# KiCad board PC110.kicad_pcb (continued)
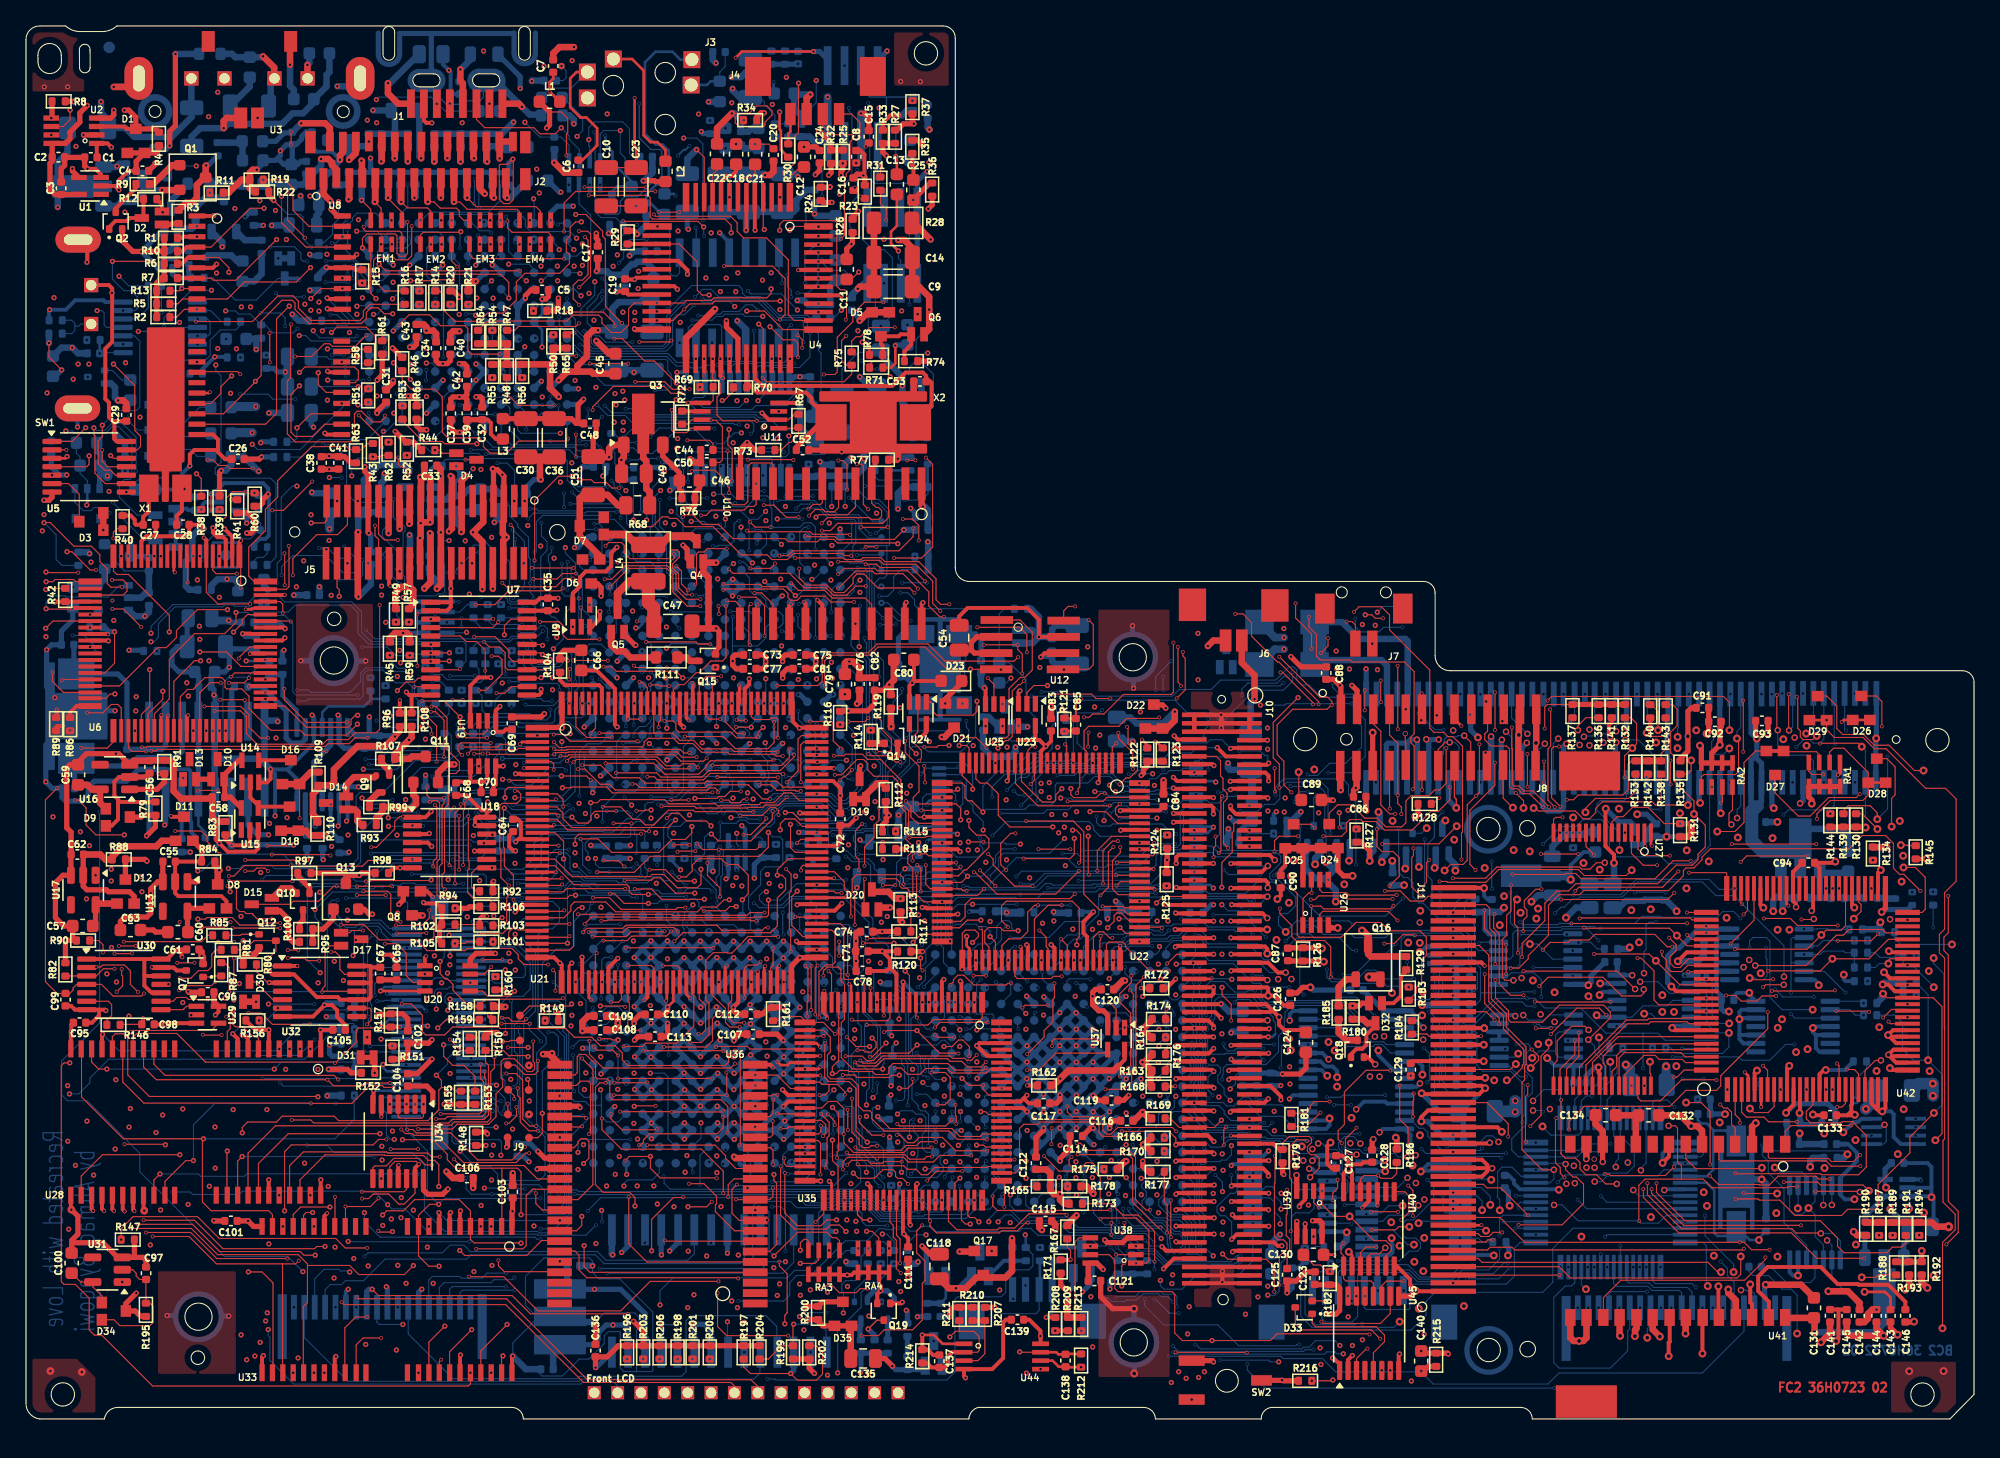
[diagram p0: board, top side]
## Routing (per net, layer and track width the routed paths; a pad name or vN(x,y) marks a point on that pad's centre or on a via; arc(x,y) is an arc through that point) (continued)
  FC1 w0.08: v3(57.86,55.15) 57.86,55.56 57.24,56.18 54.71,56.18 54.5,56.39 v1(54.5,57.11)
  IC3 w0.08: v1(54.5,57.11) 52.9,58.71 47.41,58.71 45.93,60.19 43.01,60.19 41.71,61.49 40.2,61.49 39.93,61.22 34.87,61.22 34.7,61.39 28.5,61.39 25.29,64.6 21.72,64.6 20.2,66.12 11.59,66.12 10.13,64.66 v6(6.64,64.66)
M38_P43: length 68.9
  FC2 w0.08: v1(1.55,64.52) 2.07,64.52 2.24,64.69 3.67,64.69 3.82,64.54 U6.21
  FC1 w0.08: v3(58.36,55.15) 58.36,56.48 58.71,56.83 58.71,59.06 v1(58.2,59.57)
  IC3 w0.08: v1(58.2,59.57) 57.67,59.04 52.21,59.04 51,60.25 46.55,60.25 46.17,60.63 43.17,60.63 42.11,61.69 31.35,61.69 27.99,65.05 21.68,65.05 20.44,66.29 11.43,66.29 10.49,65.35 2.45,65.35 1.62,64.52 v1(1.55,64.52)
M38_P44: length 178.1
  FC2 w0.08: v1(11.04,60.65) 11.04,61.94 7.9,65.08 7,65.08 6.74,65.34 U6.20
  IC1 w0.08: v1(16.57,6.48) 16.64,6.55 22.46,6.55 23.93,8.02 52.78,8.02 53.76,7.04 57.76,7.04 58.08,6.72 59.16,6.72 59.48,6.4 62.03,6.4 64.71,9.08 64.71,9.73 65.57,10.59 v1(67.23,10.59)
  IC2 w0.08: v1(11.04,60.65) 11.19,60.5 11.19,47.57 12.2,46.56 12.2,37.18 11.29,36.27 11.29,19.9 12.54,18.65 14.8,18.65 16.57,16.88 v1(16.57,6.48) ; v1(99.68,5.48) 89.3,5.48 85.75,9.03 84.36,9.03 84,9.39 84,12.36 83.15,13.21 81.24,13.21 79.39,15.06 77.2,15.06 76.52,14.38 71.34,14.38 70.35,15.38 67.58,15.38 66.76,14.55 66.76,11.06 v1(67.23,10.59)
  BC1 w0.08: v7(101.57,16.48) 101.57,15.98 100.1,14.51 100.1,10.17 99.68,9.75 v1(99.68,5.48)
  BC2 w0.08: v7(101.57,16.48) 101.63,16.54 U72.19
M38_P46: length 140.9
  FC2 w0.08: v3(51.95,63.17) 50.85,63.17 50.07,63.95 50.07,65.08 49.4,65.75 46.16,65.75 45.12,64.71 v3(44.58,64.71) ; v1(1.39,69.07) 1.4,69.08 1.87,69.08 3.69,67.26 5.03,67.26 5.69,66.6 5.69,66.07 6.26,65.5 6.26,64.38 6.54,64.1 v3(7.4,64.1) ; v3(53.72,63.89) 53.79,63.96 58.34,63.96 58.7,63.6 58.7,63.3 58.92,63.08 59.39,63.08 59.72,63.41 61.55,63.41 62,62.96 v3(63.78,62.96) ; v3(64.68,65.87) 65.52,65.87 65.77,65.62 68.19,65.62 v3(69.26,64.55) ; v3(42.17,65.58) 38.98,65.58 v3(38.97,65.59)
  FC1 w0.08: 38.95,65.63 38.91,65.59 37.19,65.59 36.64,65.04 31.48,65.04 30.87,65.65 28.38,65.65 27.73,65 21.28,65 20.91,64.63 16.32,64.63 15.8,64.11 13.12,64.11 12.8,64.43 12.8,64.65 11.92,65.53 9.21,65.53 8.25,66.49 v3(7.89,66.49) 7.89,65.96 7.4,65.47 v3(7.4,64.1) ; v3(51.95,63.17) 53,63.17 v3(53.72,63.89) ; v3(44.58,64.71) 43.76,64.71 42.89,65.58 v3(42.17,65.58) ; v3(63.78,62.96) 63.78,64.97 v3(64.68,65.87) ; v3(69.26,64.55) 69.73,64.08 69.73,62.34 70.6,61.47 72.22,61.47 73.11,60.58 74.76,60.58 75.47,61.29 82.35,61.29 82.65,61.59 92.13,61.59 92.33,61.39 93.66,61.39 94.25,61.98 97.63,61.98 98.56,61.05 102.04,61.05 102.23,61.24 102.92,61.24 v1(102.94,61.22)
  BC1 w0.08: v7(112.03,55.86) 112.03,54.69 111.87,54.53 109.41,54.53 108.58,53.7 106.62,53.7 102.61,57.71 102.61,60.89 v1(102.94,61.22)
  BC2 w0.08: R288.2 2.77,65.78 2.32,66.23 2.32,68.14 v1(1.39,69.07)
M38_P52: length 19.9
  FC2 w0.08: v3(20.56,65.02) 20.56,66.31 22.4,68.15 24,68.15 24.76,68.91 J5.18
  FC1 w0.08: v3(20.56,65.02) 17.39,65.02 17.17,64.8 16.13,64.8 15.65,65.28 12.95,65.28 12.19,66.04 10.34,66.04 v3(9.89,66.49)
M38_P53: length 15.1
  FC1 w0.08: v3(24.76,65.94) 24.02,65.94 23.46,65.38 21,65.38 20.86,65.52 13.07,65.52 12.1,66.49 v3(10.39,66.49)
M38_P60: length 37.9
  FC1 w0.08: v3(12.89,66.49) 13.44,67.04 15.46,67.04 16.23,67.81 16.23,70.76 16.62,71.15 16.62,76.31 17.08,76.77 31.45,76.77 33.8,74.42 36.28,74.42 38.01,72.69 38.01,71.14 v3(38.41,70.74)
M38_P61: length 33.4
  FC1 w0.08: v3(37.61,70.74) 37.61,72.53 35.92,74.22 32.83,74.22 31.45,75.6 26.56,75.6 26.45,75.49 22.48,75.49 19.33,72.34 19.33,68.41 17.75,66.83 13.73,66.83 v3(13.39,66.49)
M38_P63: length 26
  FC2 w0.08: U6.5 14.39,65.4 14.65,65.14 v3(16.24,65.14)
  FC1 w0.08: v3(38.36,65.94) 36.87,65.94 36.34,65.41 31.66,65.41 31.16,65.91 28.07,65.91 27.36,65.2 20.88,65.2 20.75,65.33 17.09,65.33 16.9,65.14 v3(16.24,65.14)
M38_P64: length 19.4
  FC1 w0.08: v3(33.56,65.94) 32.78,66.72 23.98,66.72 23.39,66.13 v1(21.39,66.13) 21.37,66.13 21.11,66.39 15.81,66.39 15.71,66.49 v3(14.89,66.49)
M38_P65: length 143.2
  FC2 w0.2: v1(69.04,6.47) 69.93,6.47 70.61,5.79 U44.1
  FC2 w0.3: U6.3 15.39,67.76 15.2,67.95 14.75,67.95 14.4,68.3 v1(14.4,68.68) ; C137.2 69.87,4.93 69.46,5.34 R214.2 v1(69.04,6.47)
  IC1 w0.08: v1(14.4,68.68) 14.4,67.89 14.08,67.57 12.75,67.57 10.69,65.51 10.69,57.57 9.19,56.07 9.19,47.8 8.6,47.21 6.75,47.21 4.81,45.27 4.81,45.06 2.14,42.39 2.14,13.95 12.72,3.37 40.62,3.37 42.9,5.65 67.1,5.65 67.91,6.46 69.03,6.46 v1(69.04,6.47)
M38_P66: length 152.9
  FC2 w0.08: U44.7 76.57,5.14 v1(76.54,5.17)
  FC2 w0.2: U44.7 79.36,5.14 79.52,4.98 C138.2 80.1,5.01 R212.2
  FC2 w0.3: U6.2 15.89,68 v1(15.29,68.6)
  IC1 w0.08: v1(76.54,5.17) 75.76,5.17 75.5,4.91 43.3,4.91 41.06,2.67 12.11,2.67 1.4,13.38 1.4,44.51 3.25,46.36 3.25,50.4 5.4,52.55 5.4,56.86 5.83,57.29 9.87,57.29 10.49,57.91 10.49,66.01 13.62,69.14 14.75,69.14 v1(15.29,68.6)
M38_P67: length 135.7
  FC2 w0.08: U6.1 16.54,66.39 v3(16.54,64.06)
  FC2 w0.3: v3(16.56,67.68) 16.44,67.56 U6.1
  FC1 w0.08: v3(17.61,71.36) 17.55,71.3 17.55,68.23 17,67.68 v3(16.56,67.68) ; v3(16.54,64.06) 16.24,64.06 15.89,63.71 14.73,63.71 13.36,62.34 v1(13.36,61.09)
  IC3 w0.08: v1(13.36,61.09) 17.83,61.09 19.58,62.84 25.52,62.84 27.55,60.81 28.51,60.81 28.82,61.12 34.52,61.12 34.71,60.93 39.56,60.93 40.72,59.77 45.96,59.77 47.27,58.46 52.46,58.46 54.32,56.6 62.91,56.6 64.29,57.98 71.81,57.98 72.14,58.31 76.94,58.31 77.83,57.42 79.84,57.42 80.16,57.1 80.21,57.1 82.31,55 v1(82.31,54.87)
  BC1 w0.08: v7(111.27,50.93) 111.27,52.88 110.64,53.51 109.58,53.51 v7(109.18,53.11) ; v1(82.31,54.87) 83,55.56 86.42,55.56 v7(87.02,56.16) ; v7(95.04,56.16) 95.03,56.16 92.78,58.41 v7(88.23,58.41) ; v7(97.55,57.55) 98.19,58.19 98.19,61.47 99.3,62.58 103.26,62.58 103.58,62.26 103.58,62 103.89,61.69 104.14,61.69 105.72,60.11 105.72,55.9 v7(107.26,54.36)
  BC2 w0.08: v7(107.26,54.36) 108.51,53.11 v7(109.18,53.11) ; v7(111.27,50.93) 111.23,50.89 J13.61 ; v7(88.23,58.41) 87.02,57.2 v7(87.02,56.16) ; v7(95.04,56.16) 96.85,56.16 97.55,56.86 v7(97.55,57.55)
M38_P71: length 50.1
  FC2 w0.08: D4.2 32.07,74.42 31.83,74.66 v3(31.5,74.66)
  FC2 w0.2: U5.3 3.03,74.03 v1(3.17,74.17)
  FC1 w0.08: v1(23.35,67.7) 26.67,67.7 27.19,68.22 27.19,73.33 27.57,73.71 30.55,73.71 v3(31.5,74.66) ; v3(4.94,61.99) 4.94,65.96 v1(5.01,66.03)
  IC3 w0.08: v1(5.01,66.03) 10.39,66.03 10.96,66.6 22.91,66.6 23.37,67.06 23.35,67.08 v1(23.35,67.7)
  IC4 w0.08: v1(3.17,74.17) 3.89,74.17 3.96,74.1 3.96,66.58 4.51,66.03 v1(5.01,66.03)
M38_RESET: length 81.5
  FC2 w0.08: R81.1 14.64,36.15 14.31,35.82 14.31,34.85 14.01,34.55 13.29,34.55 12.7,33.96 v3(11.84,33.96) ; v1(1.55,62.44) 1.58,62.41 v3(3.56,62.41) ; v3(2.42,48.63) 1.5,47.71 1.5,33.69 2.4,32.79 C99.2 3.37,32.79 3.63,33.05 3.63,33.21 3.91,33.49 U30.4 5.81,33.49 6.71,32.59 8.89,32.59 v3(9.09,32.79)
  FC2 w0.3: U6.25 3.64,62.49 v3(3.56,62.41)
  FC1 w0.08: v3(2.42,48.63) 2.42,53.78 3.59,54.95 3.59,62.38 v3(3.56,62.41) 3.56,65.63 2.8,66.39 2.8,71.27 3.64,72.11 3.64,72.92 1.87,74.69 1.87,78.5 2.07,78.7 2.07,80.73 2.63,81.29 v1(4.02,81.29) ; v3(9.09,32.79) 9.49,33.19 11.47,33.19 11.84,33.56 v3(11.84,33.96)
  BC1 w0.08: v7(4.69,83.15) 4.69,81.96 v1(4.02,81.29)
  BC2 w0.08: v1(1.55,62.44) 1.55,62.95 2.03,63.43 3.02,63.43 3.11,63.34 6.3,63.34 7.2,64.24 U53.1
M38_VREF: length 37.3
  FC2 w0.3: U6.72 17.3,60.49 17.27,60.52 v1(16.69,60.52)
  FC2 w0.4: v1(17.01,68.27) 17.33,68.27 17.64,68.58 17.64,69.25 17.07,69.82 R41.1
  FC2 w0.5: v1(31.12,68.25) 31.16,68.21 J5.31 31.16,64.48 30.69,64.01 v1(30.69,63.99)
  IC1 w0.7: v1(17.01,68.27) 17.01,67.56 17.13,67.44 17.11,67.42 17.11,65.75 17.84,65.02 30.27,65.02 30.69,64.6 v1(30.69,63.99)
  IC4 w0.5: v1(17.01,68.27) 17.01,60.84 v1(16.69,60.52)
  BC2 w0.4: v1(16.69,60.52) 16.91,60.3 C223.2
  BC2 w0.5: v1(31.12,68.25) 31.12,66.56 C216.1
MEMCS16#: length 72.6
  FC2 w0.08: 53.86,55.15 53.86,53.72 54.75,52.83 v3(55.32,52.83)
  FC1 w0.08: v3(55.32,52.83) 55.32,52.41 55.28,52.37 55.28,49.1 55.58,48.8 v1(55.58,48.25)
  BC1 w0.08: v7(64.74,30.45) 65.42,31.13 65.42,31.9 64.87,32.45 62.42,32.45 62.13,32.74 62.13,34.9 62.04,34.99 62.04,44.51 61.86,44.69 61.86,45.31 61.93,45.38 61.93,46.32 v7(61.87,46.38) ; v7(65.11,19.47) 65.11,20.1 65.43,20.42 65.43,22.32 66.08,22.97 66.08,24.3 66.01,24.37 66.01,25.89 65.03,26.87 v7(65.03,28.07) ; v7(72.63,21.08) 72.21,21.5 68.82,21.5 68.58,21.26 67.9,21.26 67.01,22.15 66.18,22.15 65.99,21.96 65.99,19.78 65.75,19.54 65.75,17.94 v7(65.76,17.93) ; v7(56.07,44.83) 56.06,44.83 55.82,45.07 55.82,46.77 55.58,47.01 v1(55.58,48.25) 55.58,50.27 55.28,50.57 55.28,52.15 v7(55.72,52.59)
  BC2 w0.08: v7(65.03,28.07) 64.59,28.51 64.59,30.3 v7(64.74,30.45) ; R316.2 56.71,44.69 56.57,44.83 v7(56.07,44.83) 56.07,44.92 56.78,45.63 57.32,45.63 57.66,45.97 57.66,46.48 58.42,47.24 61.01,47.24 v7(61.87,46.38) ; v7(65.76,17.93) 65.35,18.34 65.35,19.23 v7(65.11,19.47) ; v7(72.63,21.08) 72.63,20.63 72.57,20.57 ; 53.83,52.72 54.25,52.72 54.89,53.36 55.26,53.36 55.72,52.9 v7(55.72,52.59)
MEMR#: length 202.6
  FC2 w0.08: v3(57.54,19.6) 57.54,20.7 57.34,20.9 U36.16
  FC1 w0.08: v1(58.5,12.12) 58.5,13.06 56.81,14.75 56.81,18.87 v3(57.54,19.6)
  IC4 w0.08: v1(82.33,48.35) 82.39,48.29 82.39,42.94 80.04,40.59 80.04,32.14 79.98,32.08 77.05,32.08 76.53,31.56 76.53,31.04 76.9,30.67 79.69,30.67 81.47,28.89 81.47,17.03 83.3,15.2 84.75,15.2 86.98,12.97 86.98,10.57 85.38,8.97 84.28,8.97 82.41,7.1 74.16,7.1 72.48,5.42 64.21,5.42 60.55,9.08 59.43,9.08 58.96,9.55 58.96,11.04 58.5,11.5 v1(58.5,12.12)
  BC1 w0.08: v7(44.2,11.59) 44.2,12.12 43.64,12.68 37.81,12.68 36.97,13.52 36.97,16.41 37.88,17.32 v7(40.27,17.32) ; v7(37.9,41.27) 37.86,41.23 v7(37.86,39.88)
  BC2 w0.08: v7(37.9,41.27) 40.09,41.27 40.86,42.04 40.86,43.31 41.17,43.62 41.61,43.62 41.9,43.33 41.9,42.38 42.12,42.16 42.6,42.16 43.11,41.65 47.04,41.65 47.16,41.53 47.55,41.53 47.85,41.83 47.85,42.3 47.66,42.49 R322.1 ; U59.24 89.1,48.65 88.6,48.15 86.33,48.15 86.17,47.99 83.4,47.99 83.04,48.35 v1(82.33,48.35) ; 56.86,12.12 v1(58.5,12.12) ; 56.86,12.12 56.84,12.12 56.84,11.72 56.71,11.59 v7(44.2,11.59) ; 56.86,12.12 56.36,12.12 55.97,12.51 55.97,16.37 56.37,16.77 58.88,16.77 59.37,16.28 62.09,16.28 62.41,16.6 64.68,16.6 65.83,15.45 72.41,15.45 73.12,16.16 74.22,16.16 74.5,16.44 74.5,17.42 75.11,18.03 ; v7(37.86,39.88) 40.58,39.88 41.09,39.37 41.09,38.31 40.55,37.77 39.9,37.77 39.44,37.31 39.44,30.03 40.07,29.4 40.07,28.93 39.33,28.19 39.33,22.74 40.34,21.73 40.34,17.39 v7(40.27,17.32)
MEMW#: length 96.5
  FC2 w0.08: v1(73.25,55.31) 73.25,54.53 72.96,54.24 70.13,54.24 69.89,54.48 69.89,55.02 69.65,55.26 U24.1 ; v3(82.96,23.29) 80.58,23.29 80.21,23.66 v3(80.21,24.08) ; v3(76.21,45.13) 75.85,45.13 75.08,44.36 75.08,42.72 v3(75.5,42.3)
  FC1 w0.08: v3(80.21,24.08) 80.21,24.39 80.09,24.51 80.09,28.93 78.62,30.4 78.02,30.4 77.7,30.72 77.7,31.27 76.61,32.36 75.68,32.36 74.77,33.27 74.77,34.61 75.02,34.86 75.02,39.12 75.5,39.6 v3(75.5,42.3) ; v1(73.25,55.31) 74.25,54.31 74.25,52.79 73.65,52.19 73.65,51.27 74,50.92 75.1,50.92 76.21,49.81 v3(76.21,45.13) ; v1(83.59,19.92) 82.91,20.6 82.91,23.24 v3(82.96,23.29)
  BC1 w0.08: v7(76.61,20.5) 83.04,20.5 83.59,19.95 v1(83.59,19.92) ; v7(59.33,43.79) 59.33,43.15 58.78,42.6 53.88,42.6 53.64,42.84 52.52,42.84 51.85,43.51 50.3,43.51 49.5,42.71 v7(48.62,42.71) ; v7(65.63,45.69) 67.44,45.69 67.76,46.01 67.76,46.73 67.53,46.96 66.94,46.96 66.67,47.23 v7(66.67,47.59)
  BC2 w0.08: 76.38,20.57 76.45,20.5 v7(76.61,20.5) 76.42,20.5 76.38,20.54 ; R324.1 48.62,43.17 v7(48.62,42.71) ; v7(66.67,47.59) 66.67,49.04 68.06,50.43 68.06,51.58 68.29,51.81 69.09,51.81 69.49,51.41 72.02,51.41 72.46,51.85 72.46,51.92 73.15,52.61 73.15,54.84 73.25,54.94 v1(73.25,55.31) ; v7(59.33,43.79) 61.55,43.79 61.82,44.06 61.82,45.09 62.08,45.35 64.3,45.35 64.44,45.49 65.43,45.49 v7(65.63,45.69)
MIC_in_pin: length 14.2
  FC2 w0.2: J3.4 42.41,103.8 41.92,103.31 41.92,101.08 42.71,100.29 43.17,100.29 44,99.46 44,98.15 42.86,97.01 C6.2
  BC2 w0.08: J3.4 42,102.56 40.31,102.56 39.72,101.97 L13.2
MIC_J17: length 2.4
  FC2 w0.2: J4.1 58.88,99.21 58.71,99.04 R30.2
MN192_VSEN#: length 195.2
  FC2 w0.08: v1(2.75,80.84) 2.75,80.85 1.77,81.83 v1(1.77,82.91) ; U5.11 6.29,73.38 5.87,73.8 v3(5.87,74.67)
  FC2 w0.4: v2(103.73,52.89) J8.16
  FC1 w0.08: v1(2.75,80.84) 5.06,80.84 6.34,79.56 6.34,76.14 5.87,75.67 v3(5.87,74.67)
  IC1 w0.08: v4(107.36,38.26) 107.29,38.33 96.4,38.33 96.25,38.18 94.83,38.18 93.82,39.19 90.94,39.19 90.25,39.88 88.2,39.88 87.81,40.27 86.55,40.27 85.32,39.04 82.85,39.04 82.11,38.3 80.53,38.3 79.61,37.38 77.39,37.38 76.66,38.11 75.32,38.11 75.15,37.94 71.47,37.94 69.4,40.01 63.96,40.01 63.31,40.66 61.84,40.66 61.03,41.47 58.95,41.47 58.75,41.27 58.75,37.96 58.39,37.6 38.96,37.6 38.27,38.29 37.65,38.29 36.52,39.42 30.36,39.42 29.36,38.42 26.31,38.42 24.14,40.59 v1(22.62,40.59)
  IC2 w0.08: v1(2.75,80.84) 4.92,80.84 6.62,79.14 6.62,77.42 8.31,75.73 9.07,75.73 10.62,74.18 15.93,74.18 17.57,72.54 17.57,71.16 18.67,70.06 18.67,51.07 19.38,50.36 19.38,46.96 19.69,46.65 19.69,43.52 v1(22.62,40.59)
  IC4 w0.08: v4(107.36,38.26) 106.43,38.26 105.04,36.87 101.2,36.87 97.01,41.06 97.01,45.4 97.78,46.17 97.78,47.77 100.1,50.09 102.65,50.09 103.73,51.17 v2(103.73,52.89)
  BC2 w0.4: v1(2.75,80.84) 2.27,80.36 C226.2
  BC2 w0.5: v1(1.77,82.91) R277.2
MN195_U1RD#: length 166
  FC2 w0.08: J8.3 113.72,54.58 v3(113.72,53.77) ; v1(6.74,81.29) 8.38,79.65 8.38,76.18 8.82,75.74 8.82,74.93 8.57,74.68 U5.13 ; v2(109.27,42.27) 109.73,42.73 110.69,42.73 111.01,43.05 111.01,47.33 v3(111.71,48.03) 111.95,48.27 v3(111.95,51.99) ; v3(108.87,47.87) 108.4,47.4 R128.2
  FC1 w0.08: v3(111.95,51.99) 112,52.04 112.93,52.04 113.27,52.38 113.27,52.61 113.57,52.91 113.57,53.38 113.72,53.53 v3(113.72,53.77) ; v3(108.87,47.87) 108.9,47.9 110.69,47.9 110.82,48.03 v3(111.71,48.03)
  IC1 w0.08: v2(109.27,42.27) 108.83,41.83 105.29,41.83 104.81,41.35 102.03,41.35 101.62,41.76 99.68,41.76 99.22,41.3 97.26,41.3 96.71,41.85 87.06,41.85 87.01,41.8 78.01,41.8 77.68,42.13 73.14,42.13 72.25,43.02 71.82,43.02 71.22,43.62 71.22,44.25 70.01,45.46 62.2,45.46 61.37,44.63 48.37,44.63 47.73,45.27 36.54,45.27 35.77,44.5 32.93,44.5 32.8,44.63 24.05,44.63 v1(23.54,44.12)
  IC2 w0.08: v1(23.54,44.12) 23.54,53.66 19.19,58.01 19.19,75.42 16.07,78.54 8.38,78.54 6.74,80.18 v1(6.74,81.29)
Modem_Audio_Out: length 87.5
  FC2 w0.08: C89.1 98.04,47.9 98.04,49.84 v2(98.03,49.85)
  FC2 w0.4: v1(61.83,95.85) 62.01,96.03 R32.1
  IC1 w0.08: v1(65.33,50.32) 65.33,50.43 65.85,50.95 66.54,50.95 67.1,50.39 87.23,50.39 87.43,50.19 88.91,50.19 89.51,49.59 92.25,49.59 92.51,49.85 v2(98.03,49.85)
  IC4 w0.08: v1(61.83,95.85) 61.83,96.41 62.19,96.77 64.67,96.77 65.23,96.21 65.23,73.64 64.88,73.29 64.88,51.08 65.33,50.63 v1(65.33,50.32)
Modem_VSDA#: length 70.6
  FC2 w0.08: J8.17 105.03,47.06 v3(105.05,47.04) ; v3(101.03,18.44) 101.03,17.79 100.66,17.42 v3(100.66,16.85) ; v3(105.1,26.85) 105.08,26.87 103.22,26.87 101.55,25.2 101.55,22.69 101.07,22.21 101.07,21.54 v3(101.35,21.26) ; v3(104.06,45.45) 104.06,44.11 104.45,43.72 105.32,43.72 105.78,43.26 105.78,41.83 v3(105.03,41.08) ; R127.1 v3(102.45,45.43)
  FC1 w0.08: v3(73.65,16.86) 73.76,16.75 78.32,16.75 79.37,17.8 79.67,17.8 80.09,18.22 80.4,18.22 80.76,17.86 83.53,17.86 84.67,16.72 87.49,16.72 87.7,16.51 88.38,16.51 88.66,16.79 89.59,16.79 90.45,15.93 91.78,15.93 92,15.71 92.26,15.71 92.78,16.23 94.99,16.23 95.32,16.56 97.45,16.56 97.74,16.85 v3(100.66,16.85) ; v3(105.1,26.85) 105.08,26.87 105.08,31.7 104.58,32.2 104.58,33.1 105.35,33.87 105.35,37.35 104.83,37.87 104.83,40.29 104.84,40.29 105.03,40.48 v3(105.03,41.08) ; v3(102.45,45.43) 102.47,45.45 v3(104.06,45.45) 104.06,45.6 105.05,46.59 v3(105.05,47.04) ; v3(101.35,21.26) 101.03,20.94 v3(101.03,18.44)
OKI_CE#: length 49
  FC2 w0.08: U36.14 54.68,19.3 53.89,20.09 53.89,20.29 53.08,21.1 v3(47.86,21.1) ; 42.36,55.15 42.36,53.35 43.19,52.52 v3(45.12,52.52) ; v3(47.86,25.93) 47.84,25.91 v3(45.31,25.91)
  FC1 w0.08: v3(47.86,21.1) 47.86,21.35 47.72,21.49 47.72,25.57 47.86,25.71 v3(47.86,25.93) ; v3(45.31,25.91) 45.31,28.41 45.18,28.54 45.18,31.11 45.36,31.29 45.36,32.08 45.76,32.48 45.76,35.01 46.04,35.29 46.04,35.59 45.54,36.09 45.54,46.27 45.12,46.69 v3(45.12,52.52)
OKI_SA12: length 44.9
  FC2 w0.08: v3(36.7,35.41) 36.69,35.4 v3(35.18,35.4) ; v3(37.23,49.19) 37.26,49.22 39.39,49.22
  FC1 w0.08: v3(35.18,35.4) 35.18,34.82 35.31,34.69 35.31,31.32 34.98,30.99 34.98,27.93 34.7,27.65 34.7,24.73 36.1,23.33 37.15,23.33 37.94,22.54 37.94,17.09 38.75,16.28 40.6,16.28 41.12,15.76 v3(41.12,15.3) ; v3(37.23,49.19) 37.22,49.19 36.39,48.36 36.39,47.72 36.65,47.46 37.05,47.46 38.41,46.1 38.41,42.54 37.62,41.75 37.38,41.75 36.71,41.08 36.71,39.56 37.2,39.07 37.2,38.21 36.7,37.71 v3(36.7,35.41)
OKI_SA13: length 40.2
  FC2 w0.08: U36.39 39.77,16.1 39.27,16.6 v3(39.27,17.39) ; v3(38.36,50.17) U21.7
  FC1 w0.08: v3(39.27,17.39) 38.95,17.39 38.13,18.21 38.13,22.66 37.28,23.51 36.44,23.51 36.15,23.8 36.15,24.89 36.98,25.72 37.48,25.72 37.82,26.06 37.82,32.18 38.37,32.73 38.37,38.29 38.79,38.71 38.79,49.69 38.36,50.12 v3(38.36,50.17)
OKI_SA14: length 40.3
  FC2 w0.08: U36.38 42.52,16.9 43.67,18.05 43.67,26.94 v3(42.83,27.78) ; v3(40.65,50.03) 40.65,50.47 40.45,50.67 U21.6
  FC1 w0.08: v3(42.83,27.78) 41.91,28.7 39.84,28.7 39.57,28.97 39.57,30.11 39.52,30.16 39.52,30.98 39.37,31.13 39.37,31.55 39.71,31.89 39.71,37.31 40.38,37.98 40.38,49.76 v3(40.65,50.03)
OKI_SA15: length 54.8
  FC2 w0.08: v3(33.37,42.33) 33.35,42.35 v3(33.35,46.47) ; U36.37 39.01,17.7 38.53,17.22 38.53,13.36 38.28,13.11 v3(34.68,13.11) ; v3(35.58,51.28) 35.64,51.22 39.34,51.22 U21.5
  FC1 w0.08: v3(33.35,46.47) 35.05,48.17 35.05,49.38 35.58,49.91 v3(35.58,51.28) ; v3(34.68,13.11) 34.68,16.75 34.03,17.4 34.03,21.74 33.96,21.81 33.96,30.1 34.1,30.24 34.1,32.34 34.55,32.79 34.55,33.97 34.1,34.41 34.1,38.04 34.41,38.35 34.41,38.93 33.87,39.46 33.87,41.83 v3(33.37,42.33)
OKI_SA16: length 46.5
  FC2 w0.08: v3(33.49,47.37) 33.49,47.13 33.05,46.69 v3(33.05,41.27) ; v3(34.05,51.27) 34.35,51.57 37.81,51.57 37.92,51.68 U21.4 ; U36.36 39.39,18.5 38.36,19.53 33.45,19.53 v3(32.97,20.01)
  FC1 w0.08: v3(34.05,51.27) 34.05,49.13 33.49,48.57 v3(33.49,47.37) ; v3(33.05,41.27) 33.05,40.59 33.67,39.97 33.67,38.94 33.56,38.83 33.56,34.61 33.28,34.33 33.28,21.57 32.97,21.26 v3(32.97,20.01)
OKI_SA17: length 57.2
  FC2 w0.08: v3(46.43,17.1) 46.43,13.49 47.82,12.1 U36.5 ; v3(39.46,22.21) 38.74,22.21 38.07,22.88 38.07,24.72 37.87,24.92 v3(37.87,25.48)
  FC2 w0.2: U21.3 38.21,52.17 v3(38.05,52.01)
  FC1 w0.08: v3(38.05,52.01) 38.97,51.09 38.97,38.6 38.55,38.18 38.55,32.62 38.02,32.09 38.02,25.96 37.89,25.83 37.89,25.5 v3(37.87,25.48) ; v3(46.43,17.1) 43.09,17.1 39.89,20.3 39.89,22.18 39.86,22.21 v3(39.46,22.21)
OKI_SA18: length 64.5
  FC2 w0.08: v3(37.67,48.39) 37.89,48.39 38.11,48.17 38.11,47.73 37.82,47.44 36.67,47.44 36.49,47.26 36.49,43.89 36.58,43.8 36.58,41.73 v3(37.2,41.11) ; U36.4 43.44,11.3 43,11.74 43,11.78 42.99,11.79 v1(42.99,13.36)
  FC1 w0.08: v3(37.67,48.39) 37.67,49.2 37.14,49.73 36.62,49.73 36.28,50.07 36.28,52.12 36.83,52.67 v3(39.39,52.67) ; v3(37.2,41.11) 37.2,39.88 37.36,39.72 37.93,39.72 38.2,39.45 38.2,38.87 37.22,37.89 37.22,35.92 v1(37.19,35.89)
  IC4 w0.08: v1(42.99,13.36) 41.79,13.36 40.91,14.25 40.91,28.8 40.9,28.8 40.9,28.87 38.23,31.54 38.23,35.49 37.83,35.89 v1(37.19,35.89)
OKI_SA19: length 58.6
  FC2 w0.08: 41.12,11.35 36.84,11.35 36.39,11.8 v3(36.39,12.22) ; v3(35.17,51.28) 35.15,51.26 v3(34.53,51.26) ; v3(33.8,47.62) 33.8,47 33.69,46.89 33.69,42.69 v3(33.68,42.68)
  FC1 w0.08: v3(35.17,51.28) 35.17,51.64 35.06,51.75 35.06,53.12 36.18,54.24 37.89,54.24 38.86,55.21 41.8,55.21 v3(41.86,55.15) ; v3(33.68,42.68) 34.07,42.29 34.07,39.63 34.64,39.06 34.64,38.25 34.31,37.92 34.31,34.56 34.75,34.12 34.75,32.6 34.31,32.16 34.31,30.05 34.13,29.87 34.13,23.75 34.94,22.94 36.43,22.94 36.68,22.69 36.68,22.12 37.49,21.31 37.49,19.94 36.39,18.84 v3(36.39,12.22) ; v3(33.8,47.62) 33.8,48.24 34.53,48.97 v3(34.53,51.26)
PCMCIA_BALE: length 45.4
  IC2 w0.08: v1(67.13,23.49) 66.36,22.72 66.09,22.72 65.97,22.6 60.8,22.6 60.01,23.39 57.44,23.39 56.67,24.16 56.67,28.47 56.46,28.68 56.46,29.64 56.67,29.85 56.67,41.98 55.51,43.14 55.51,43.68 54.19,45 54.19,45.55 54.85,46.21 54.85,46.81 54.46,47.2 v1(54.46,47.85)
  BC1 w0.08: v1(54.46,47.85) 54.46,48.61 54.91,49.06 v7(54.91,50.15)
  BC2 w0.08: 70.03,20.54 70.04,20.55 U74.D1 69.35,20.55 69.04,20.86 69.04,21.91 69.31,22.18 69.31,23.22 69.04,23.49 68.56,23.49 68.3,23.75 67.39,23.75 v1(67.13,23.49)
PCMCIA_CLK: length 7.4
  BC1 w0.08: v7(52.01,46.12) 52.01,48.25 v7(52.04,48.28)
  BC2 w0.08: v7(52.04,48.28) 52.3,48.28 52.56,48.54 52.56,48.91 ; R317.2 49.72,44.62 49.44,44.9 49.44,45.43 49.68,45.67 50.4,45.67 50.85,46.12 v7(52.01,46.12)
PCMCIA_CS: length 124.7
  FC2 w0.08: v3(37.11,28.63) v1(38.67,28.63) ; v3(67.94,18.11) 67.94,18.12 67.52,18.54 67.14,18.54 66.98,18.7 66.98,19.01 66.78,19.21 66.01,19.21 65.35,18.55 64.12,18.55 v1(63.73,18.94)
  FC1 w0.08: v3(81.98,13.31) 81.97,13.32 75.92,13.32 74.7,14.54 69.78,14.54 69.74,14.58 68.99,14.58 68.9,14.49 68.04,14.49 67.73,14.8 67.73,15.53 67.94,15.74 v3(67.94,18.11) ; v3(37.11,28.63) 36.72,28.63 36.53,28.44 35.86,28.44 35.66,28.64 35.66,29.7 36.15,30.19 36.38,30.19 36.45,30.12 36.75,30.12 36.97,30.34 36.97,31.05 36.16,31.86 v3(36.16,34.09)
  IC2 w0.08: v1(38.67,28.63) 38.32,28.63 35.03,25.34 35.03,20.85 35.55,20.33 v1(35.87,20.33)
  IC3 w0.08: v1(35.87,20.33) 35.87,19.9 36.33,19.44 37.89,19.44 38.64,18.69 44.28,18.69 44.9,19.31 48.31,19.31 48.98,18.64 54.96,18.64 55.81,19.49 55.82,19.48 63.19,19.48 v1(63.73,18.94)
  BC1 w0.08: 68.82,50.65 66.06,50.65 65.44,51.27 61.81,51.27 v7(61.49,51.59) ; 68.82,50.65 69.71,49.76 68.82,50.65 ; 68.82,50.65 69.72,49.75 69.72,45.69 68.91,44.88 67.75,44.88 66.94,44.07 v7(66.94,43.53) ; v7(65.23,25.31) 64.83,25.31 63.95,24.43 63.95,21.16 63.22,20.43 63.22,19.97 63.73,19.46 v1(63.73,18.94) ; v7(63.5,37.19) 63.79,37.48 63.79,40.28 63.48,40.59 63.48,41.07 64.11,41.7 v7(64.11,43.51) ; v7(63.48,36.1) 63.28,35.9 63.28,34.32 63.99,33.61 v7(64.69,33.61)
  BC2 w0.08: v7(65.23,25.31) 65.23,27 65.81,27.58 65.81,30.2 64.57,31.44 64.57,33.02 64.69,33.14 v7(64.69,33.61) ; v7(66.94,43.53) 66.92,43.51 v7(64.11,43.51) ; v7(63.5,37.19) 63.5,36.12 v7(63.48,36.1)
PCMCIA_REFRESH: length 70.9
  IC1 w0.08: v1(45.58,25.4) 45.58,25.45 46.21,26.08 48.48,26.08 49.62,24.94 62.62,24.94 62.85,25.17 62.85,25.74 63.39,26.28 66.73,26.28 66.96,26.05 67.68,26.05 68.1,25.63 68.78,25.63 v1(69.08,25.93)
  IC2 w0.08: v1(48.01,52.05) 47.7,52.05 47.68,52.07 47.6,51.99 47.6,19.22 46.79,18.41 45.11,18.41 45.01,18.51 45.01,24.83 v1(45.58,25.4)
  BC2 w0.08: U74.H1 69.38,25.63 v1(69.08,25.93) ; v1(48.01,52.05) 48.02,52.05 48.62,51.45 48.75,51.45
PCMCIA_SBHE#: length 61
  IC2 w0.08: v1(53.19,53.36) 53.27,53.28 53.27,52.58 53.59,52.26 53.59,51.8 53.39,51.6 53.39,43.4 52.55,42.56 52.55,41.74 51.77,40.96 51.08,40.96 50.19,40.07 50.19,24.09 52.1,22.18 66.11,22.18 66.3,22.37 70.29,22.37 71.41,21.25 71.41,20.35 v1(71.94,19.82)
  BC2 w0.08: v1(71.94,19.82) 71.94,19.8 72.46,19.28 U74.C3 ; v1(53.19,53.36) 53.19,54.51 53.04,54.66 51.08,54.66 50.41,53.99 50.02,53.99
PCMCIA_Sound: length 72.2
  FC2 w0.08: v3(66.87,66.35) 68.99,66.35 69.83,67.2 69.83,73.57 v3(69.32,74.08) ; v3(69.06,36.01) 69.05,36.02
  FC2 w0.4: 69.05,36.02 R120.2
  FC1 w0.08: v3(69.32,74.08) 69.3,74.1 69.3,78.55 67.54,80.31 v1(66.57,80.31) ; v1(69.21,38.38) 69.21,36.16 v3(69.06,36.01) ; v3(66.87,66.35) 66.57,66.05 66.57,61.94 67.84,60.67 67.84,56.63 70.09,54.38 70.09,51.94 74.42,47.61 74.42,43.39 v1(73.93,42.9)
  IC4 w0.08: v1(69.21,38.38) 70.47,39.64 70.47,40.66 72.71,42.9 v1(73.93,42.9)
  BC1 w0.08: v7(72.6,32.27) 72.36,32.03 71.78,32.03 71.26,32.55 71.26,33.02 71.53,33.29 71.53,34.41 71.59,34.47 71.59,36.13 71.65,36.19 71.65,37.5 71.48,37.67 70.68,37.67 70.44,37.43 69.76,37.43 69.57,37.24 69.27,37.24 68.84,37.67 68.84,38.01 v1(69.21,38.38) ; v7(67.89,84.32) 67.27,84.32 66.27,83.32 66.27,80.61 v1(66.57,80.31)
  BC2 w0.08: 72.57,32 72.6,32.03 v7(72.6,32.27)
PCMCIA_ZEROWS#: length 37.8
  BC1 w0.08: v7(60.81,40.77) 60.81,47.77 60.53,48.05 60.53,49.1 59.62,50.01 v7(59.62,50.85) ; v7(55.78,50.77) 58.59,50.77 v7(58.61,50.79) ; v7(72,29.48) 71.68,29.48 71.16,30 71.16,30.34 70.69,30.81 70.09,30.81 69.69,31.21 69.69,34.88 69.49,35.08 68.69,35.08 68.19,35.58 v7(68.19,35.78)
  BC2 w0.08: v7(68.19,35.78) 68.19,36.29 67.21,37.27 66.54,37.27 66.34,37.07 65.79,37.07 65.23,37.63 65.23,38.55 63.01,40.77 v7(60.81,40.77) ; 52.56,50.18 53.18,50.8 55.75,50.8 v7(55.78,50.77) ; 72.57,29.46 72.02,29.46 v7(72,29.48) ; v7(58.61,50.79) 59.56,50.79 v7(59.62,50.85)
Pluto_50: length 119.6
  FC2 w0.3: U35.50 61.18,18.36 v1(61.21,18.33)
  IC3 w0.08: v1(10.02,22.07) 12.68,22.07 17.18,17.57 23.78,17.57 24.74,18.53 35.18,18.53 36.12,17.59 48.9,17.59 49.09,17.78 61.13,17.78 61.21,17.86 v1(61.21,18.33)
  BC1 w0.08: 10.01,22.07 10.02,22.08 10.02,39.1 10.01,39.11 10.01,39.4 10.27,39.66 10.27,41.46 9.95,41.78 9.95,58.18 9.66,58.47 9.66,59.3 10.27,59.91 11.3,59.91 14.16,62.77 14.16,66.46 9.75,70.87 9.75,75.65 9.55,75.85 9.55,78.9 9.93,79.28 v7(10.75,79.28)
  BC2 w0.08: v7(10.75,79.28) 10.77,79.3 R276.1
